# Altium PCB UltraZOhm_CarrierBoard.PcbDoc (part 8 of 12) (continued)
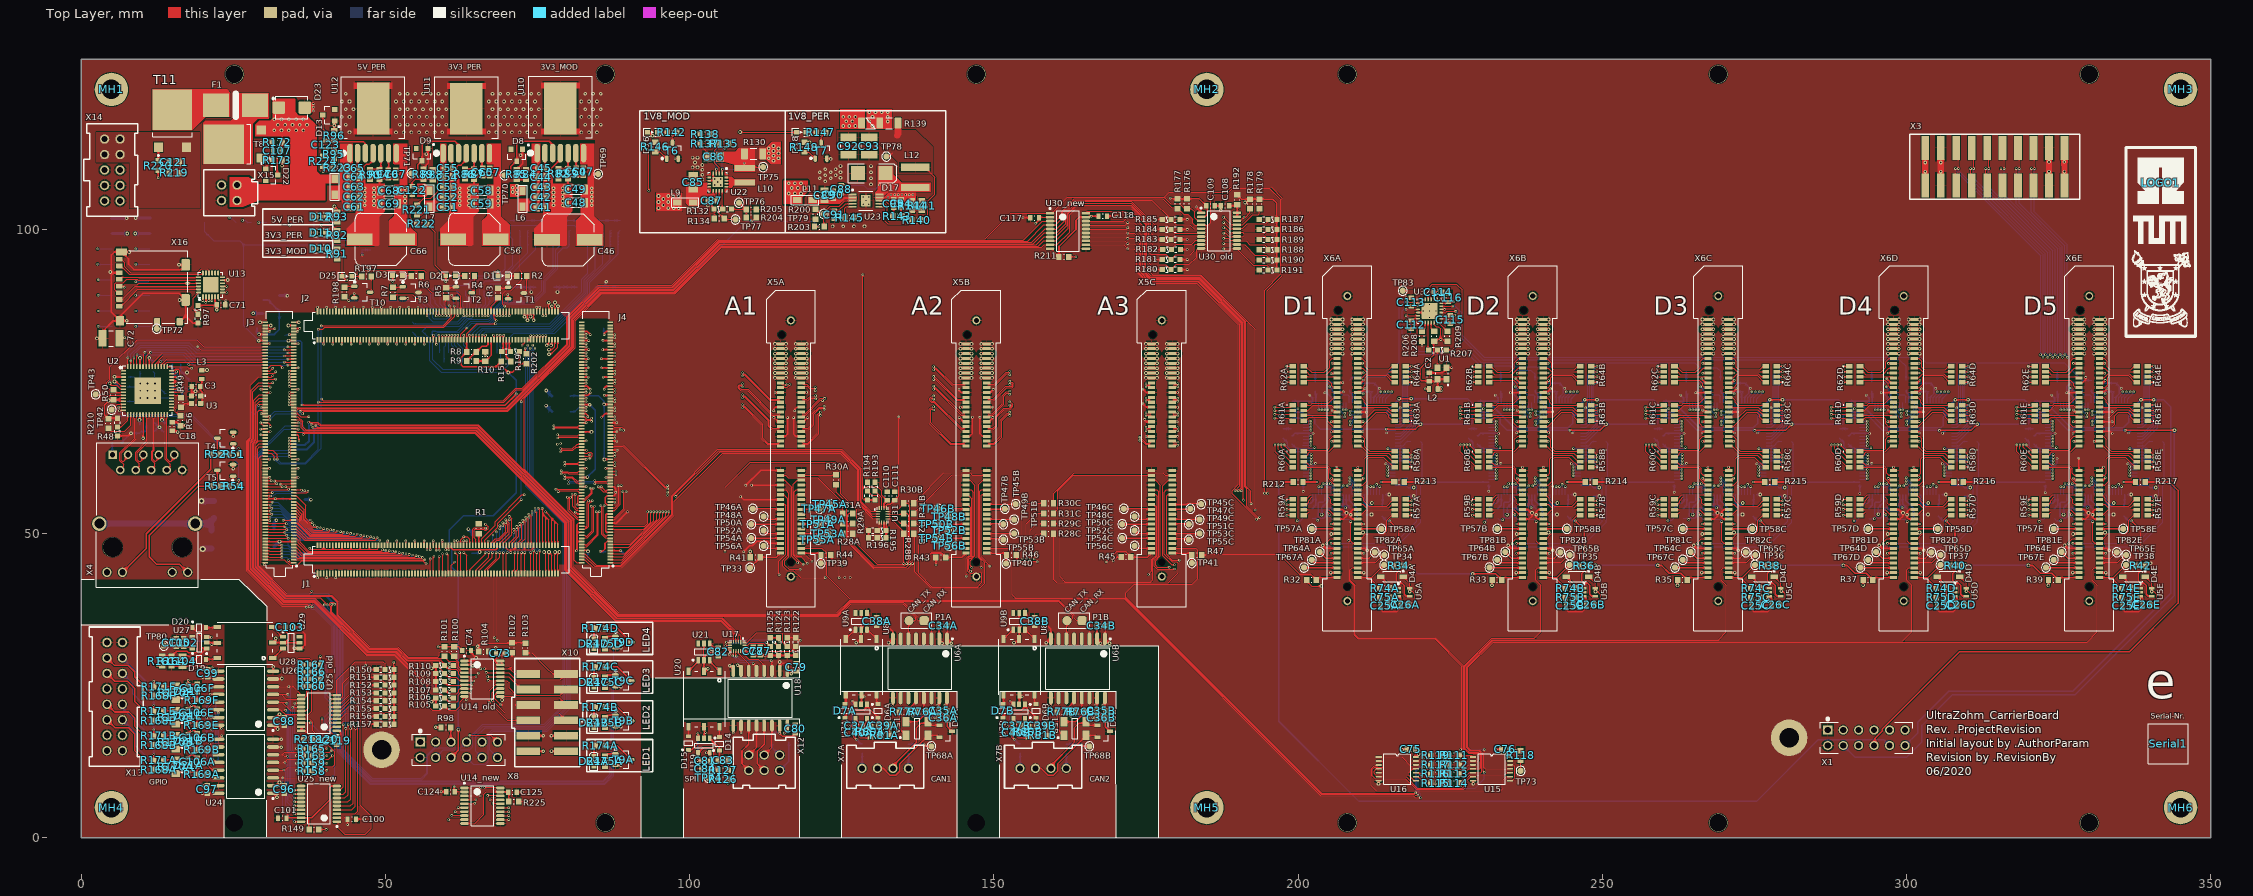
[diagram p0: Top Layer view]
## Nets (pads, with @x,y where several pads share a name; then routed paths per layer and width w, separated by ;. In a path a pad name is that pad's centre, name@x,y a point inside that pad or via, vN(x,y) a via of type N, cw(c..) or ccw(c..) an arc to the next point about the centre after c; other vN are vias at no path point) (continued)
; 5.292,92.892 5,92.6 5,86.397 X16.G1@6.415,84.982 ; 5.292,92.892 5.3,92.9 ; 5.292,92.892 6.29,92.892 6.282,92.9 5.3,92.9 ; 5.3,92.9 5,93.2 5,95.8 5.502,96.302 X16.G2@6.64,96.302 ; X16.G1@6.415,84.982 6.415,85.715 10.2,89.5 16.097,89.5 X16.G4@17.19,88.407 ; 17.19,85.782 X16.G4@17.19,88.407 ; 81.5,48.7 81.5,50.2 ; v2@112.332,30.011 112.346,29.997 R125.3@113.257,29.997
  Top Layer w0.5: D23.2@36.769,120.018 D23.2@37.476,120.018 ; v2(38.142,119.484) D23.2@37.608,120.018 ; v2(38.142,120.084) 38.076,120.018 D23.2@37.608,120.018 ; v2(38.142,120.684) D23.2@37.476,120.018 ; v3(114.04,75.6) v3(115.84,75.6) ; v3(114.04,77.2) X5A.11@114.94,77.2 v3(115.84,77.2) ; v3(114.04,78.8) v3(115.84,78.8) ; v3(114.04,80.4) v3(115.84,80.4) ; v3@114.04,81.2 v3@115.84,81.2 ; v3(117.44,78.8) v3(119.24,78.8) ; v3(117.44,80.4) v3(119.24,80.4) ; v3@117.44,81.2 v3@119.24,81.2 ; v3(117.44,75.6) v3(119.24,75.6) ; v3(117.44,77.2) v3(119.24,77.2) ; v3(144.52,75.6) v3(146.32,75.6) ; v3(144.52,77.2) v3(146.32,77.2) ; v3(144.52,78.8) v3(146.32,78.8) ; v3(144.52,80.4) v3(146.32,80.4) ; v3@144.52,81.2 v3@146.32,81.2 ; v3(147.92,78.8) v3(149.72,78.8) ; v3(147.92,80.4) v3(149.72,80.4) ; v3@147.92,81.2 v3@149.72,81.2 ; v3(147.92,75.6) v3(149.72,75.6) ; v3(147.92,77.2) v3(149.72,77.2) ; v3(175,75.6) v3(176.8,75.6) ; v3(175,77.2) v3(176.8,77.2) ; v3(175,78.8) v3(176.8,78.8) ; v3(175,80.4) v3(176.8,80.4) ; v3@175,81.2 v3@176.8,81.2 ; v3(178.4,78.8) v3(180.2,78.8) ; v3(178.4,80.4) v3(180.2,80.4) ; v3@178.4,81.2 v3@180.2,81.2 ; v3(178.4,75.6) v3(180.2,75.6) ; v3(178.4,77.2) v3(180.2,77.2) ; v3(205.48,79.6) v3(207.28,79.6) ; v3@205.48,81.2 v3@207.28,81.2 ; v3(205.48,82.8) v3(207.28,82.8) ; v3(205.48,84.4) v3(207.28,84.4) ; v3(205.48,85.2) v3(207.28,85.2) ; v3(208.88,82.8) v3(210.68,82.8) ; v3(208.88,84.4) v3(210.68,84.4) ; v3(208.88,85.2) v3(210.68,85.2) ; v3(208.88,79.6) v3(210.68,79.6) ; v3@208.88,81.2 v3@210.68,81.2 ; v3(235.96,79.6) v3(237.76,79.6) ; v3@235.96,81.2 v3@237.76,81.2 ; v3(235.96,82.8) v3(237.76,82.8) ; v3(235.96,84.4) v3(237.76,84.4) ; v3(235.96,85.2) v3(237.76,85.2) ; v3(239.36,82.8) v3(241.16,82.8) ; v3(239.36,84.4) v3(241.16,84.4) ; v3(239.36,85.2) v3(241.16,85.2) ; v3(239.36,79.6) v3(241.16,79.6) ; v3@239.36,81.2 v3@241.16,81.2 ; v3(266.44,79.6) v3(268.24,79.6) ; v3@266.44,81.2 v3@268.24,81.2 ; v3(266.44,82.8) v3(268.24,82.8) ; v3(266.44,84.4) v3(268.24,84.4) ; v3(266.44,85.2) v3(268.24,85.2) ; v3(269.84,82.8) v3(271.64,82.8) ; v3(269.84,84.4) v3(271.64,84.4) ; v3(269.84,85.2) v3(271.64,85.2) ; v3(269.84,79.6) v3(271.64,79.6) ; v3@269.84,81.2 v3@271.64,81.2 ; v3(296.92,79.6) v3(298.72,79.6) ; v3@296.92,81.2 v3@298.72,81.2 ; v3(296.92,82.8) v3(298.72,82.8) ; v3(296.92,84.4) v3(298.72,84.4) ; v3(296.92,85.2) v3(298.72,85.2) ; v3(300.32,82.8) v3(302.12,82.8) ; v3(300.32,84.4) v3(302.12,84.4) ; v3(300.32,85.2) v3(302.12,85.2) ; v3(300.32,79.6) v3(302.12,79.6) ; v3@300.32,81.2 v3@302.12,81.2 ; v3(327.4,79.6) v3(329.2,79.6) ; v3@327.4,81.2 v3@329.2,81.2 ; v3(327.4,82.8) v3(329.2,82.8) ; v3(327.4,84.4) v3(329.2,84.4) ; v3(327.4,85.2) v3(329.2,85.2) ; v3(330.8,82.8) v3(332.6,82.8) ; v3(330.8,84.4) v3(332.6,84.4) ; v3(330.8,85.2) v3(332.6,85.2) ; v3(330.8,79.6) v3(332.6,79.6) ; v3@330.8,81.2 v3@332.6,81.2 ; D23.2@37.476,120.018 D23.2@37.608,120.018
  Top Layer w1: X3.12@305.597,107.187 v3(305.597,109.5) X3.2@305.597,113.41 ; X3.19@323.377,107.187 v3(323.377,109.5) v3(323.377,111.1) X3.9@323.377,113.41
  Bottom Layer w0.15: C5.2@7.571,71.778 9.208,71.778 v4(9.735,72.305) v4(10.935,73.505) ; C15.2@7.619,74.179 9.209,74.179 v4(9.735,74.705) ; C10.2@7.775,75.765 8.675,75.765 v4(9.735,74.705) ; C7.2@9.716,76.716 9.735,76.698 v4(9.735,74.705) ; C6.2@11.774,76.691 12.135,76.33 v4(12.135,74.705) ; C20.2@14.02,73.048 13.792,73.048 v4(12.135,74.705) ; C9.2@15.011,71.854 14.559,72.305 v4(12.135,72.305) v4(10.935,73.505) ; v4(9.735,74.705) v4(10.935,73.505) ; v4(10.935,73.505) v4(12.135,74.705)
  Bottom Layer w0.2: TP28.1@41.715,88.547 41.715,87.368 v2(41.859,87.224) ; TP29.1@83.267,46.055 83.3,46.087 v3(83.3,47.1)
  Bottom Layer w0.254: C4.2@6.531,64.964 6.664,64.964 v4(8.2,66.5) 8.229,66.529 C11.2@9.627,66.529 9.927,66.829 10.672,66.829 C17.1@10.718,66.875 C16.1@10.718,68.196 ; C8.2@15.442,68.045 15.688,67.8 v3(17.2,67.8) ; C14.2@16.36,77.837 C13.2@16.36,76.68 C13.2@16.64,76.4 ; v4@17.4,76.6 v4(17.4,76.5) 17.3,76.4 C13.2@16.64,76.4 ; C19.2@17.666,75.043 17.666,75.373 C13.2@16.64,76.4 ; TP31.1@37.829,43.513 38.097,43.513 v2(38.862,42.748) ; SW3.4@70.901,90.525 SW3.2@73.441,90.525 ; v3(74,89.7) 74,89.967 SW3.2@73.441,90.525 ; SW3.1@74.711,90.525 SW3.2@73.441,90.525 ; SW2.4@77.691,90.536 SW2.3@78.961,90.536 ; v4(78.3,89.7) 78.3,89.875 SW2.3@78.961,90.536 ; SW2.1@81.501,90.536 SW2.3@78.961,90.536 ; SW1.4@84.461,90.536 SW1.3@85.731,90.536 ; TP30.1@85.931,83.781 85.931,82.751 v1(85.954,82.728) ; v4(86.3,91.4) 86.3,91.105 SW1.3@85.731,90.536 ; SW1.1@88.271,90.536 SW1.3@85.731,90.536 ; v2(88.7,47.2) 89.416,46.484 TP32.1@89.442,46.484 ; C23A.1@198.988,66.107 199.107,66.107 199.5,66.5 200.844,66.5 U4A.18@200.857,66.488 202.448,66.488 v1(202.463,66.472) ; C27A.1@199.009,71.8 202.145,71.8 U4A.26@202.407,71.538 202.407,72.294 v1(201.93,72.771) ; v1(200.857,56.943) U4A.1@200.857,57.988 U4A.1@200.857,58.012 ; U4A.7@200.857,60.988 202.241,60.988 202.798,61.544 v1(202.844,61.544) ; v1(204.394,73.152) 204.699,73.151 ; U4A.96@204.407,56.438 204.407,55.461 204.089,55.143 203.429,55.143 203.276,54.991 203.276,52.807 203.53,52.553 204.216,52.553 204.546,52.883 204.546,53.585 C22A.1@205.297,54.336 205.835,53.797 207.569,53.797 v3(207.95,53.416) 207.661,53.128 C33A.1@207.137,53.128 ; U4A.32@205.407,71.538 205.407,72.443 204.699,73.151 ; C24A.1@205.613,74.848 205.048,74.848 204.699,74.498 204.699,73.151 ; C28A.1@209.773,74.748 212.452,74.748 213.05,74.15 213.05,73.629 ; C32A.1@211.201,53.128 212.03,53.128 v3(212.065,53.162) ; v1(211.328,57.76) 211.407,57.681 U4A.82@211.407,56.438 ; U4A.46@212.407,71.538 212.407,72.407 213.05,73.05 213.05,73.629 ; v1(213.335,73.914) 213.05,73.629 ; U4A.76@214.407,56.438 214.408,56.439 v4(214.986,56.439) ; v1(214.427,61.493) 214.433,61.488 U4A.68@215.957,61.488 ; v1(214.528,66.548) 214.968,66.988 U4A.57@215.957,66.988 ; U4A.51@215.957,69.988 216.063,69.988 216.738,70.663 v2(216.764,70.663) ; C31A.1@218.059,56.176 218.99,56.176 v4(218.999,56.185) ; C30A.1@219.267,63.734 219.944,63.734 v1(219.964,63.754) ; C23B.1@229.468,66.107 229.587,66.107 229.98,66.5 231.324,66.5 U4B.18@231.337,66.488 232.928,66.488 v1(232.943,66.472) ; C27B.1@229.489,71.8 232.625,71.8 U4B.26@232.887,71.538 232.887,72.294 v1(232.41,72.771) ; v1(231.337,56.963) U4B.1@231.337,58.012 ; U4B.7@231.337,60.988 232.721,60.988 233.278,61.544 v1(233.324,61.544) ; v1(234.874,73.152) 235.179,73.151 ; U4B.96@234.887,56.438 234.887,55.461 234.569,55.143 233.909,55.143 233.756,54.991 233.756,52.807 234.01,52.553 234.696,52.553 235.026,52.883 235.026,53.585 235.777,54.336 236.315,53.797 238.049,53.797 v3(238.43,53.416) 238.141,53.128 C33B.1@237.617,53.128 ; U4B.32@235.887,71.538 235.887,72.443 235.179,73.151 ; C24B.1@236.093,74.848 235.528,74.848 235.179,74.498 235.179,73.151 ; C28B.1@240.253,74.748 242.932,74.748 243.53,74.15 243.53,73.629 ; C32B.1@241.681,53.118 242.51,53.118 v3(242.544,53.153) ; v1(241.808,57.76) 241.887,57.681 U4B.82@241.887,56.438 ; U4B.46@242.887,71.538 242.887,72.407 243.53,73.05 243.53,73.629 ; v1(243.815,73.914) 243.53,73.629 ; U4B.76@244.887,56.438 244.888,56.439 v4(245.466,56.439) ; v1(244.907,61.493) 244.913,61.488 U4B.68@246.437,61.488 ; v1(245.008,66.548) 245.448,66.988 U4B.57@246.437,66.988 ; U4B.51@246.437,69.988 246.543,69.988 247.218,70.663 v2(247.244,70.663) ; C31B.1@248.539,56.176 249.47,56.176 v4(249.479,56.185) ; C30B.1@249.747,63.734 250.424,63.734 v1(250.444,63.754) ; C23C.1@259.948,66.107 260.067,66.107 260.46,66.5 261.804,66.5 U4C.18@261.817,66.488 263.408,66.488 v1(263.423,66.472) ; C27C.1@259.969,71.8 263.105,71.8 U4C.26@263.367,71.538 263.367,72.294 v1(262.89,72.771) ; v1(261.8,56.8) 261.81,56.81 U4C.1@261.81,58.012 ; U4C.7@261.817,60.988 263.201,60.988 263.758,61.544 v1(263.804,61.544) ; v1(265.354,73.152) 265.659,73.151 ; U4C.96@265.367,56.438 265.367,55.461 265.049,55.143 264.389,55.143 264.236,54.991 264.236,52.902 264.586,52.553 265.176,52.553 265.506,52.883 265.506,53.585 266.257,54.336 266.795,53.797 268.529,53.797 v3(268.91,53.416) 268.621,53.128 C33C.1@268.097,53.128 ; U4C.32@266.367,71.538 266.367,72.443 265.659,73.151 ; C24C.1@266.573,74.848 266.008,74.848 265.659,74.498 265.659,73.151 ; C28C.1@270.733,74.748 273.412,74.748 274.01,74.15 274.01,73.629 ; C32C.1@272.161,53.128 272.99,53.128 v3(273.025,53.162) ; v1(272.288,57.76) 272.367,57.681 U4C.82@272.367,56.438 ; U4C.46@273.367,71.538 273.367,72.407 274.01,73.05 274.01,73.629 ; v1(274.295,73.914) 274.01,73.629 ; U4C.76@275.367,56.438 275.368,56.439 v4(275.946,56.439) ; v1(275.387,61.493) 275.393,61.488 U4C.68@276.917,61.488 ; v1(275.488,66.548) 275.928,66.988 U4C.57@276.917,66.988 ; U4C.51@276.917,69.988 277.023,69.988 277.698,70.663 v2(277.724,70.663) ; C31C.1@279.019,56.176 279.95,56.176 v4(279.959,56.185) ; C30C.1@280.227,63.734 280.904,63.734 v1(280.924,63.754) ; C23D.1@290.428,66.107 290.547,66.107 290.94,66.5 292.284,66.5 U4D.18@292.297,66.488 293.888,66.488 v1(293.903,66.472) ; C27D.1@290.449,71.8 293.585,71.8 U4D.26@293.847,71.538 293.847,72.294 v1(293.37,72.771) ; v1(292.297,56.603) U4D.1@292.297,58.012 ; U4D.7@292.297,60.988 293.681,60.988 294.238,61.544 v1(294.284,61.544) ; v1(295.834,73.152) 296.139,73.151 ; U4D.96@295.847,56.438 295.847,55.461 295.529,55.143 294.869,55.143 294.716,54.991 294.716,53.077 295.241,52.553 295.656,52.553 295.986,52.883 295.986,53.585 296.737,54.336 297.275,53.797 299.009,53.797 v3(299.39,53.416) 299.101,53.128 C33D.1@298.577,53.128 ; U4D.32@296.847,71.538 296.847,72.443 296.139,73.151 ; C24D.1@297.053,74.848 296.488,74.848 296.139,74.498 296.139,73.151 ; C28D.1@301.213,74.748 303.892,74.748 304.49,74.15 304.49,73.629 ; C32D.1@302.641,53.118 303.47,53.118 v3(303.504,53.153) ; v1(302.768,57.76) 302.847,57.681 U4D.82@302.847,56.438 ; U4D.46@303.847,71.538 303.847,72.407 304.49,73.05 304.49,73.629 ; v1(304.775,73.914) 304.49,73.629 ; U4D.76@305.847,56.438 305.848,56.439 v4(306.426,56.439) ; v1(305.867,61.493) 305.873,61.488 U4D.68@307.397,61.488 ; v1(305.892,66.497) 305.918,66.497 306.408,66.988 U4D.57@307.397,66.988 ; U4D.51@307.397,69.988 307.503,69.988 308.178,70.663 v2(308.204,70.663) ; C31D.1@309.499,56.176 310.43,56.176 v4(310.439,56.185) ; C30D.1@310.707,63.734 311.384,63.734 v1(311.404,63.754) ; C23E.1@320.908,66.107 321.027,66.107 321.42,66.5 322.764,66.5 U4E.18@322.777,66.488 324.368,66.488 v1(324.383,66.472) ; C27E.1@320.929,71.8 324.065,71.8 U4E.26@324.327,71.538 324.327,72.294 v1(323.85,72.771) ; v1(322.777,56.723) U4E.1@322.777,57.988 ; U4E.7@322.777,60.988 324.161,60.988 324.718,61.544 324.718,62.353 v1(324.714,62.357) ; U4E.96@326.327,56.438 326.327,55.461 326.009,55.143 325.349,55.143 325.196,54.991 325.196,52.807 325.43,52.573 326.157,52.573 326.466,52.883 326.466,53.585 327.217,54.336 327.755,53.797 329.489,53.797 v3(329.87,53.416) 329.581,53.128 C33E.1@329.057,53.128 ; U4E.32@327.327,71.538 327.327,72.443 326.619,73.151 v1(326.314,73.152) 326.314,74.194 326.968,74.848 C24E.1@327.533,74.848 ; C28E.1@331.693,74.748 334.372,74.748 334.97,74.15 334.97,73.629 ; C32E.1@333.121,53.118 333.95,53.118 v3(333.984,53.153) ; v2(333.248,57.76) 333.327,57.681 U4E.82@333.327,56.438 ; U4E.46@334.327,71.538 334.327,72.407 334.97,73.05 334.97,73.629 ; v1(335.255,73.914) 334.97,73.629 ; U4E.76@336.327,56.438 336.328,56.439 v4(336.906,56.439) ; v1(336.347,61.493) 336.353,61.488 U4E.68@337.877,61.488 ; v1(336.448,66.548) 336.888,66.988 U4E.57@337.877,66.988 ; U4E.51@337.877,69.988 337.983,69.988 338.658,70.663 v2(338.684,70.663) ; C31E.1@339.979,56.176 340.91,56.176 v4(340.919,56.185) ; C30E.1@341.187,63.734 341.864,63.734 v1(341.884,63.754)
  Bottom Layer w0.5: X11.16@4.973,101.829 v3(7.485,101.829) ; v3(8.985,101.854) X11.8@11.396,101.854 ; C1.1@32.577,89.142 33.858,89.142 v4(33.9,89.1)
  Bottom Layer w1: v7(19.8,55.4) 19.855,55.345 C12.2@21.826,55.345 ; v7(20,47.5) 20.043,47.543 R55.2@21.47,47.543
  other v1: 125.5,42.8 126.4,42.8 83.668,73.152 221.604,85.549 220.554,86.599 222.654,86.599 221.604,87.649
  other v2: 132.6,105.3 133.1,105.7 133.7,105.7 134.3,105.7 134.9,105.7 135.5,105.7 136.1,105.7 136.7,105.7
  other v3: 114.04,81.2 115.84,81.2 117.44,81.2 119.24,81.2 144.52,81.2 146.32,81.2 147.92,81.2 149.72,81.2 175,81.2 176.8,81.2 178.4,81.2 180.2,81.2 205.48,81.2 207.28,81.2 208.88,81.2 210.68,81.2 235.96,81.2 237.76,81.2 239.36,81.2 241.16,81.2 266.44,81.2 268.24,81.2 269.84,81.2 271.64,81.2 296.92,81.2 298.72,81.2 300.32,81.2 302.12,81.2 327.4,81.2 329.2,81.2 330.8,81.2 332.6,81.2 46.635,103.98 48.135,103.98 62.235,103.98 63.735,103.98 77.635,103.98 79.135,103.98 46.635,104.68 48.135,104.68 62.235,104.68 63.735,104.68 77.635,104.68 79.135,104.68 46.635,105.38 48.135,105.38 62.235,105.38 63.735,105.38 77.635,105.38 79.135,105.38 46.635,106.08 48.135,106.08 62.235,106.08 63.735,106.08 77.635,106.08 79.135,106.08 46.635,106.78 48.135,106.78 62.235,106.78 63.735,106.78 77.635,106.78 79.135,106.78 102.1,108.2 102.1,109 102.1,109.8 100.5,110.2 101.3,110.2 102.1,110.6 100.9,111 305.6,111 100.5,111.8 101.3,111.8 60,117.22 44.76,119.76 60,119.76 60,122.3
  other v4: 10.935,72.305 9.735,73.505 12.135,73.505 10.935,74.705 123.5,100.5 125.25,100.5 127,100.5 128.75,100.5 129.8,107.4 122.3,107.9 121.4,108.4 123.2,108.4 129.8,108.4 124.8,108.5 122.3,108.9 124,108.9 121.4,109.4 123.2,109.4 124.8,109.4 129.8,109.4 122.3,109.9 124,109.9 124.8,110.4 129.8,110.4 42.855,115.95 44.125,115.95 51.745,115.95 53.015,115.95 54.285,115.95 55.555,115.95 56.825,115.95 58.095,115.95 59.365,115.95 66.985,115.95 68.255,115.95 69.525,115.95 70.795,115.95 72.065,115.95 73.335,115.95 74.605,115.95 82.225,115.95 83.495,115.95 84.765,115.95 43.49,117.22 52.38,117.22 53.65,117.22 54.92,117.22 56.19,117.22 57.46,117.22 58.73,117.22 67.62,117.22 68.89,117.22 70.16,117.22 71.43,117.22 72.7,117.22 73.97,117.22 75.24,117.22 82.86,117.22 84.13,117.22 85.4,117.22 42.855,118.49 44.125,118.49 51.745,118.49 53.015,118.49 54.285,118.49 55.555,118.49 56.825,118.49 58.095,118.49 59.365,118.49 66.985,118.49 68.255,118.49 69.525,118.49 70.795,118.49 72.065,118.49 73.335,118.49 74.605,118.49 82.225,118.49 83.495,118.49 84.765,118.49 43.49,119.76 52.38,119.76 53.65,119.76 54.92,119.76 56.19,119.76 57.46,119.76 58.73,119.76 67.62,119.76 68.89,119.76 70.16,119.76 71.43,119.76 72.7,119.76 73.97,119.76 75.24,119.76 82.86,119.76 84.13,119.76 85.4,119.76 42.855,121.03 44.125,121.03 51.745,121.03 53.015,121.03 54.285,121.03 55.555,121.03 56.825,121.03 58.095,121.03 59.365,121.03 66.985,121.03 68.255,121.03 69.525,121.03 70.795,121.03 72.065,121.03 73.335,121.03 74.605,121.03 82.225,121.03 83.495,121.03 84.765,121.03 43.49,122.3 52.38,122.3 53.65,122.3 54.92,122.3 56.19,122.3 57.46,122.3 58.73,122.3 67.62,122.3 68.89,122.3 70.16,122.3 71.43,122.3 72.7,122.3 73.97,122.3 75.24,122.3 82.86,122.3 84.13,122.3 85.4,122.3
  other v5: 128.532,104.134 129.432,104.134 128.982,104.734 128.532,105.334 129.432,105.334
  other v6: 104.123,107.282 105.123,107.282 105.123,108.282